# Altium PCB master.PcbDoc (part 2 of 5) (continued)
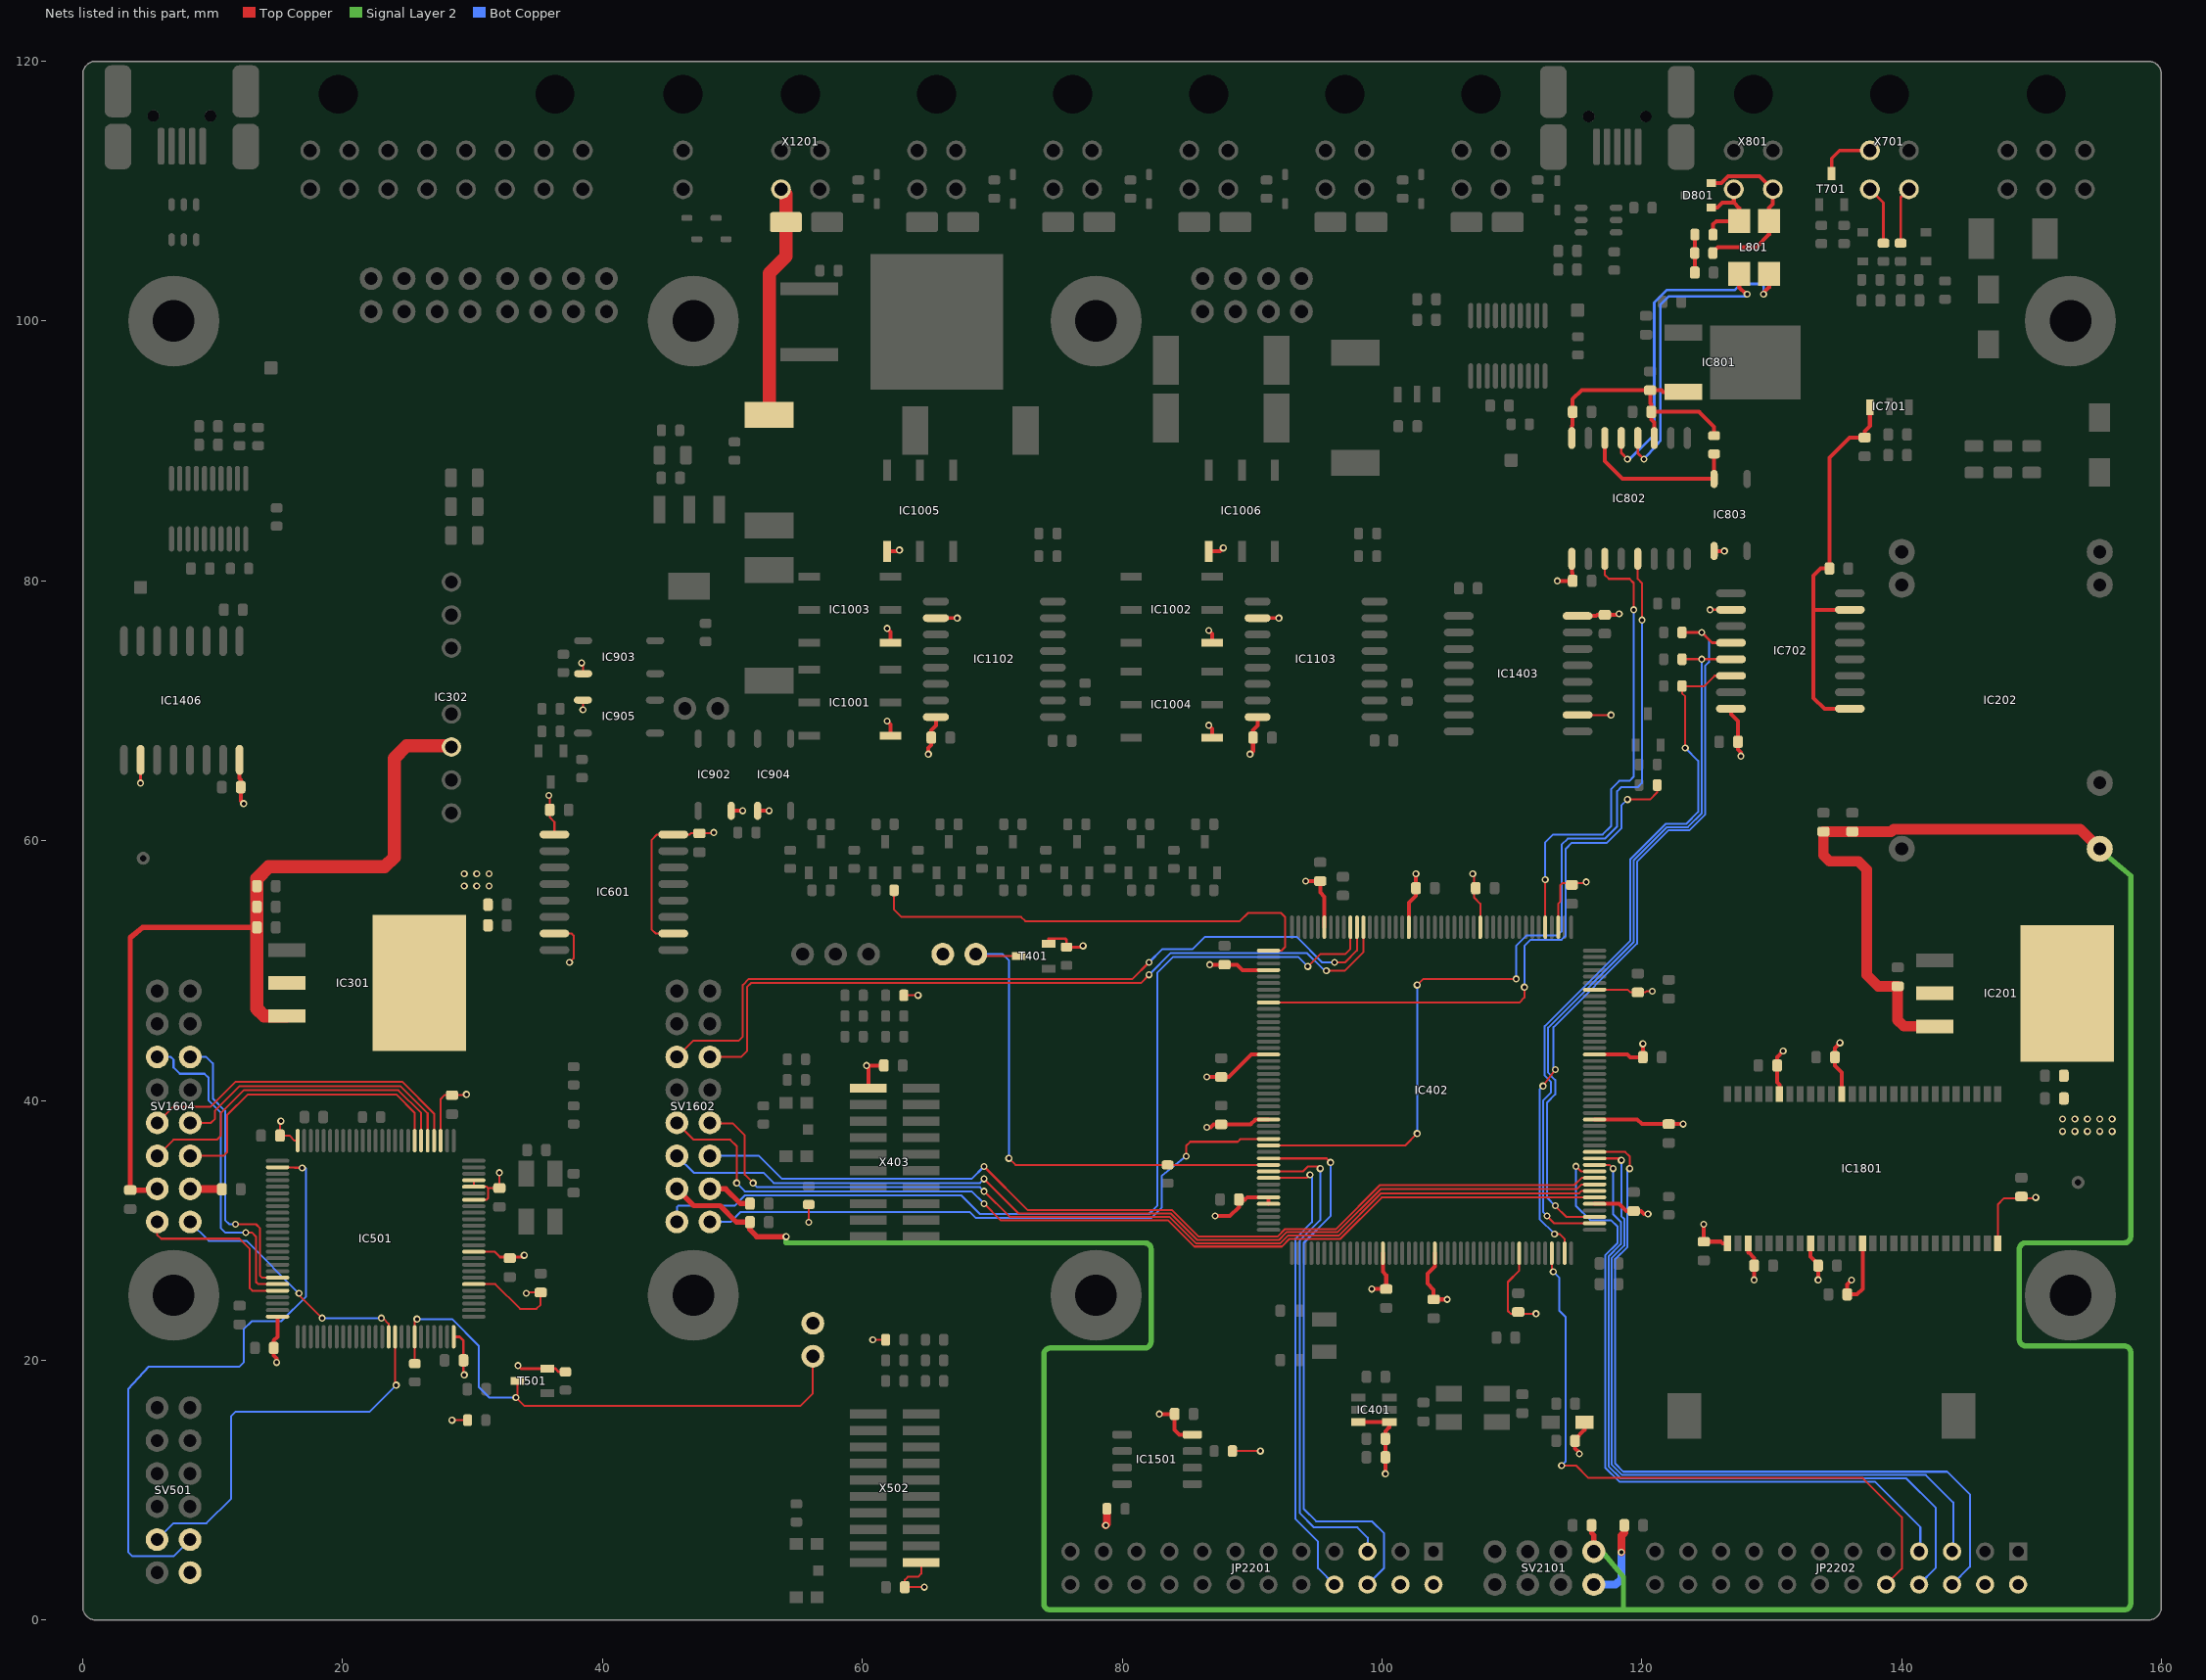
[diagram p4: the nets of this part, all layers, seen from the top]
## Part data (continued)
R804 R907 R910 R1005 R1006 R1011 R1012 R1017 R1018: library part gen_R_430R_0603, "SMD Resistor 430R 0603", Case EIA=0603, Case Metric=1608, Maximum Working Voltage=75V, Operating Temperature="-55°C - +155°C", PnP Package=R_0603, Power=0.1W, Supplier Part Number 1=2074259, Tolerance=1%, Automotive Qualified=False, Part Number=gen_R_430R_0603, PnP Value=430R, Resistance=430R, Series=E24, Supplier 1=Farnell
R902: library part gen_R_120R_0603, "SMD Resistor 120R 0603", Case EIA=0603, Case Metric=1608, Maximum Working Voltage=75V, Operating Temperature="-55°C - +155°C", PnP Package=R_0603, Power=0.1W, Supplier Part Number 1=2073369, Tolerance=1%, Automotive Qualified=False, Part Number=gen_R_120R_0603, PnP Value=120R, Resistance=120R, Series=E24, Supplier 1=Farnell
R906: library part gen_R_330R_0603, "SMD Resistor 330R 0603", Case EIA=0603, Case Metric=1608, Maximum Working Voltage=75V, Operating Temperature="-55°C - +155°C", PnP Package=R_0603, Power=0.1W, Supplier Part Number 1=2692155, Tolerance=1%, Automotive Qualified=False, Part Number=gen_R_330R_0603, PnP Value=330R, Resistance=330R, Series=E24, Supplier 1=Farnell
R1101 R1102 R1103 R1104 R1105 R1106: library part gen_R_47R_0603, "SMD Resistor 47R 0603", Case EIA=0603, Case Metric=1608, Maximum Working Voltage=75V, Operating Temperature="-55°C - +155°C", PnP Package=R_0603, Power=0.1W, Supplier Part Number 1=2303030, Tolerance=1%, Automotive Qualified=False, Part Number=gen_R_47R_0603, PnP Value=47R, Resistance=47R, Series=E24, Supplier 1=Farnell
R1401 R1402 R1405 R1406: library part gen_R_27R_0603, "SMD Resistor 27R 0603", Case EIA=0603, Case Metric=1608, Maximum Working Voltage=75V, Operating Temperature="-55°C - +155°C", PnP Package=R_0603, Power=0.1W, Supplier Part Number 1=2059559, Tolerance=1%, Automotive Qualified=False, Part Number=gen_R_27R_0603, PnP Value=27R, Resistance=27R, Series=E24, Supplier 1=Farnell
S401 S501: "Microminiature Tactile Switch", Manufacturer="CK Components", Operating Temperature="-40°C - +85°C", Supplier Part Number 1=1201424, Automotive Qualified=False, ComponentLink1Description=Datasheet, ComponentLink1URL=http://www.farnell.com/datasheets/1685525.pdf, Part Number=KMR221GLFS, Supplier 1=Farnell, Supplier 2=Digikey, Supplier 3=Mouser, Supplier Part Number 2=401-1426-1-ND, Supplier Part Number 3=611-KMR211G-LFS
SV501: "Board-To-Board Connector, Vertical, 2.54 mm, 12 Contacts, Header, TSW Series, Through Hole, 2 Rows", Manufacturer=Samtec, Operating Temperature="-55°C - +125°C", Part Name=TSW-106-07-G-D, Rated Voltage="500V AC mated with SSW", Supplier Part Number 1=2025252, Automotive Qualified=False, Circuits=12, ComponentLink1Description=Datasheet, ComponentLink1URL=http://www.farnell.com/datasheets/1992055.pdf?_ga=2.196729640.569325269.1503285096-1413671594.1503025027, Part Number=samtec_TSW-106-07-G-D, Supplier 1=Farnell
SV901: "Board-To-Board Connector, Dual, 2.54 mm, 8 Contacts, Receptacle, SLW Series, Through Hole, 2 Rows", Manufacturer=Samtec, Operating Temperature="-55°C - +125°C", Part Name=SLW-104-01-G-D, Rated Current=5.2A, Rated Voltage="406VAC Voltage rating", Supplier Part Number 1=1668094, Automotive Qualified=False, Circuits=8, ComponentLink1Description=Datasheet, ComponentLink1URL=http://www.farnell.com/datasheets/1927699.pdf, Part Number=samtec_SLW-104-01-G-D, Supplier 1=Farnell
SV1601 SV1603 SV2101: "Board-To-Board Connector, Vertical, 2.54 mm, 8 Contacts, Header, TSW Series, Through Hole, 2 Rows", Manufacturer=Samtec, Operating Temperature="-55°C - +125°C", Part Name=TSW-104-07-G-D, Rated Voltage="500V AC mated with SSW", Supplier Part Number 1=2025250, Automotive Qualified=False, Circuits=8, ComponentLink1Description=Datasheet, ComponentLink1URL=http://www.farnell.com/datasheets/1992055.pdf, Part Number=samtec_TSW-104-07-G-D, Supplier 1=Farnell
SV1602 SV1604: "Board-To-Board Connector, Vertical, 2.54 mm, 16 Contacts, Header, TSW Series, Through Hole, 2 Rows", Manufacturer=Samtec, Operating Temperature="-55°C - +125°C", Part Name=TSW-108-07-G-D, Rated Voltage="500V AC mated with SSW", Supplier Part Number 1=2578721, Automotive Qualified=False, Circuits=16, ComponentLink1Description=Datasheet, ComponentLink1URL=http://www.farnell.com/datasheets/2061825.pdf, Part Number=samtec_TSW-108-07-G-D, Supplier 1=Farnell
T201: "BIDIRECTIONAL THYRISTOR OVERVOLTAGE PROTECTOR", Manufacturer=Bourns, Operating Temperature="-40°C - +150°C", Supplier Part Number 1=TISP4040H1BJR-SCT-ND, Automotive Qualified=False, ComponentLink1Description=Datasheet, ComponentLink1URL=http://www.bourns.com/data/global/pdfs/TISP40xxH1BJ.pdf, Part Number=TISP4040H1BJR-S, Supplier 1=Digikey
T401 T501: library part CMP-1099-00028-1, "P-Channel SIPMOS Small-Signal-Transistor, -60 V VDS, -0.17 A ID, -55 to 150 degC, PG-SOT23, Reel, Green", Manufacturer=Infineon, ComponentLink1Description="Manufacturer URL", ComponentLink1URL=http://www.infineon.com/, ComponentLink2Description=Datasheet, ComponentLink2URL=http://www.infineon.com/dgdl/BSS84P_Rev2.7%5B1%5D.pdf?folderId=db3a304314dca38901154a72e3951a65&fileId=db3a304330f68606013118ac7a9b4549, ComponentLink3Description="Package Specification", ComponentLink3URL=http://www.infineon.com/dgdl/SOT23-Package_Overview.pdf?folderId=db3a30431936bc4b0119532290053c66&fileId=db3a30431936bc4b0119533468123c85, DatasheetVersion="Rev. 2.7", Green=TRUE, Halogen-free=TRUE, ID (max)="-0.17Â A", IDpuls (max)="-0.68Â A", Mounting Technology="Surface Mount", PackageDescription="3-Pin Small Outline Transistor Package, 2.9 x 1.3 mm Body, 0.95 mm Pitch", PackageReference=PG-SOT23, PackageVersion=Apr-08, Packing=Reel, PartNumber=BSS84P, Pto t (max)="0.36Â W", QG="1Â nC", RDS (on) (max)="8,000Â mOhm", RDS (on) (max) (@4.5V)="12,000Â mOhm", Rth="350Â K/W", VDS (max)="-60Â V", VGS(th) (max)="-2Â V", VGS(th) (min)="-1Â V"
T701 T801 T902 T903 T1001 T1002 T1003 T1004 T1005 T1006: "MOSFET-Transistor, n-Kanal, 1.6 A, 100 V, 0.178 ohm, 10 V, 2.5 V", Manufacturer=Infineon, Maximum Continous Drain Current (25°C)=1.6A, Maximum Drain-Source Voltage=100V, Operating Temperature="-55°C - +150°C", Part Name=NMOS, Supplier Part Number 1=1783928, Automotive Qualified=False, ComponentLink1Description="Datasheet URL", ComponentLink1URL=http://www.farnell.com/datasheets/491501.pdf, Part Number=IRLML0100TRPBF, R_DS(on)=190m, Supplier 1=Farnell, Total Gate Charge=2.5nC
T901: library part CMP-1259-00124-1, "N-Channel TrenchMOS Logic Level FET, 60 V, 100 A, 3-Pin SOT404, Tape and Reel", Manufacturer="NXP Semiconductors", Automotive Qualified=Y, Channel Type=N, ComponentLink1Description="Manufacturer URL", ComponentLink1URL=http://www.nxp.com/, ComponentLink2Description=Datasheet, ComponentLink2URL=http://www.nxp.com/documents/data_sheet/BUK964R8-60E.pdf, ComponentLink3Description="Package Specification", ComponentLink3URL=http://www.nxp.com/documents/outline_drawing/sot404_po.pdf, ID [max] (A)=100, IDM [max] (A)=596, Mounting Technology="Surface Mount", PackageDescription="3-Pin Plastic Single-ended Surface Mounted Package, Body 10 x 9.6 mm, Pitch 2.54 mm", PackageReference=SOT404, PackageVersion="13-02-25, 02/2013", Packing="Tape & Reel", PartNumber=BUK964R8-60E,118, Qr [typ] (nC)=56, VDS [max] (V)=60, VGSth [typ] (V)=1.7
TP1 TP2 TP3 TP4: "Testpoint, square", Part Number=Testpoint_Square
TP_GND_201 TP_GND_301: library part Testpoint_Round_Via, "Testpoint, Via, round", Part Number=Testpoint_Round_Via
U$1 U$3 U$4: library part FIDUCIAL_1MM, PackageName=FIDUCIAL_1MM
X201: "Micro-Fit 3.0 Right Angle Header, 3.00mm Pitch, Dual Row, 6 Circuits, with Snap-in Plastic Peg PCB Lock, Tin, Glow Wire Capable, Black, 43045-0600", Manufacturer=Molex, Operating Temperature="-40°C - +105°C", Part Name=MicroFit, Rated Current=8.5A, Rated Voltage=600V, Supplier Part Number 1=1012252, Automotive Qualified=False, Circuits=6, Part Number=molex_microfit_3_03x2_THT, Supplier 1=Farnell
X401: "Board-To-Board Connector, Vertical, 2.54 mm, 3 Contacts, Header, TSW Series, Through Hole, 1 Row", Manufacturer=Samtec, Operating Temperature="-55°C - +125°C", Part Name=TSW-103-07-G-S, Supplier Part Number 1=2505045, Automotive Qualified=False, Circuits=3, ComponentLink1Description=Datasheet, ComponentLink1URL=http://www.farnell.com/datasheets/1796313.pdf, Part Number=samtec_TSW-103-07-G-S, Supplier 1=Farnell
X402 X501 X902: "Board-To-Board Connector, Vertical, 2.54 mm, 2 Contacts, Header, TSW Series, Through Hole, 1 Row", Manufacturer=Samtec, Operating Temperature="-55°C - +125°C", Part Name=TSW-102-07-G-S, Supplier Part Number 1=2505044, Automotive Qualified=False, Circuits=2, ComponentLink1Description=Datasheet, ComponentLink1URL=http://www.farnell.com/datasheets/1796313.pdf, Part Number=samtec_TSW-102-07-G-S, Supplier 1=Farnell
X403 X502: library part samtec_FTSH-110-01-L-DV-007-K-P, "Board-To-Board Connector, ARM Cortex Debug Header 20 Pin", Manufacturer=Samtec, Operating Temperature="-55°C - +125°C", Supplier Part Number 1=SAM11268-ND, Automotive Qualified=False, Circuits=20, Part Name=FTSH-110-01-L-DV-007-K-P, Part Number=samtec_FTSH-110-01-L-DV-007-K-P, Supplier 1=Digikey, Supplier 2=Avnet, Supplier Part Number 2=FTSH-110-01-L-DV-007-K-P
X701 X801 X1201 X1202 X1203 X1204 X1205 X1206: "Micro-Fit 3.0 Right Angle Header, 3.00mm Pitch, Dual Row, 4 Circuits, with Snap-in Plastic Peg PCB Lock, Tin, Glow Wire Capable, Black, 43045-0400", Manufacturer=Molex, Operating Temperature="-40°C - +105°C", Part Name=MicroFit, Rated Current=8.5A, Rated Voltage=600V, Supplier Part Number 1=9733019, Automotive Qualified=False, Circuits=4, Part Number=molex_microfit_3_02x2_THT, Supplier 1=Farnell
X901: "Micro-Fit 3.0 Right Angle Header, 3.00mm Pitch, Dual Row, 2 Circuits, with Snap-in Plastic Peg PCB Lock, Tin, Glow Wire Capable, Black, 43045-0200", Manufacturer=Molex, Operating Temperature="-40°C - +105°C", Part Name=MicroFit, Rated Current=8.5A, Rated Voltage=600V, Supplier Part Number 1=1012251, Automotive Qualified=False, Circuits=2, Part Number=molex_microfit_3_01x2_THT, Supplier 1=Farnell
X1401 X1402: library part CMP-0411-00002-1, "USB, MINI, SMD, RA KME04-USBMU03A01", Manufacturer=Molex, ComponentLink1Description="Manufacturer URL", ComponentLink1URL=http://www.molex.com/, ComponentLink2Description=Datasheet, ComponentLink2URL=http://www.molex.com/pdm_docs/sd/675031020_sd.pdf, DatasheetVersion="Rev F, 06/2009", Mounting Technology="Surface Mount", PackageDescription="Mini USB Connector, SMT, Righer Angle", PackageReference=67503-1020, PartNumber=67503-1020, Terminal Pitch="0.8 mm"
X1601: "Micro-Fit 3.0 Right Angle Header, 3.00mm Pitch, Dual Row, 16 Circuits, with Snap-in Plastic Peg PCB Lock, Tin, Glow Wire Capable, Black, 43045-1600", Manufacturer=Molex, Operating Temperature="-40°C - +105°C", Part Name=MicroFit, Rated Current=8.5A, Rated Voltage=600V, Supplier Part Number 1=9961380, Automotive Qualified=False, Circuits=16, Part Number=molex_microfit_3_08x2_THT, Supplier 1=Farnell

## Via types
v1: diameter 0.55, hole 0.3, Top Copper to Bot Copper, tented both sides, 708 vias
v2: diameter 0.65, hole 0.4, Top Copper to Bot Copper, tented both sides, 3 vias

## Nets (pads, with @x,y where several pads share a name; then routed paths per layer and width w, separated by ;. In a path a pad name is that pad's centre, name@x,y a point inside that pad or via, vN(x,y) a via of type N, cw(c..) or ccw(c..) an arc to the next point about the centre after c; other vN are vias at no path point)
+3.3V_0: C205.1 C206.1 C401.1 C403.1 C404.1 C405.1 C406.1 C407.1 C408.1 C409.1 C410.1 C412.1 C413.1 C415.1 C416.1 C417.1 C418.1 C419.1 C420.1 C421.1 C430.1 C601.2 C707.1 C807.2 C1106.1 C1107.1 C1405.1 C1501.2 C1601.1 C1801.1 C1802.1 C1803.1 C1804.1 C1805.1 C1806.1 C1807.1 C2101.2 IC201.2 IC201.4 IC401.3 IC401.4 IC402.15 IC402.23 IC402.36 IC402.49 IC402.62 IC402.72 IC402.82 IC402.91 IC402.103 IC402.114 IC402.127 IC402.136 IC402.149 IC402.159 IC402.171 IC402.172 IC601.10 IC601.16 IC702.10 IC702.16 IC802.1 IC803.1 IC902.4 IC904.1 IC1001.1 IC1002.1 IC1003.1 IC1004.1 IC1005.1 IC1006.1 IC1102.10 IC1102.16 IC1103.10 IC1103.16 IC1403.10 IC1403.16 IC1501.8 IC1801.1 IC1801.3 IC1801.9 IC1801.14 IC1801.27 IC1801.43 IC1801.49 JP2201.2 JP2201.4 JP2202.2 JP2202.4 L401.1 LED201.2 R402.2 R405.2 R1501.2 R1502.2 SV1602.3 SV2101.2 T401.2 X402.1 X403.1 | length 188
  Top Copper w0.152: IC601.10@45.453,52.849 44.111,52.849 43.773,53.186 43.773,60.041 44.202,60.469 IC601.16@45.453,60.469 46.705,60.469 46.795,60.559 C601.2@47.466,60.559 48.509,60.559 v1(48.578,60.628) ; v1(55.88,30.624) R405.2@55.88,31.838 ; LED201.2@63.25,48.086 v1(64.294,48.086) ; R1501.2@88.489,13.003 v1(90.646,13.003) ; v1(106.998,57.453) 107.1,57.191 107.1,55.604 107.573,55.131 IC402.103@107.573,53.534 ; IC402.36@110.573,28.034 110.573,26.896 109.696,26.02 109.696,23.798 109.911,23.583 v1(111.863,23.583) ; IC402.91@113.573,53.534 113.573,55.138 113.745,55.309 113.745,56.579 113.88,56.715 115.626,56.715 v1(115.729,56.818) ; IC1403.10@115.018,69.676 IC1403.10@115.065,69.676 v1(117.634,69.676) ; IC402.82@116.373,48.534 118.901,48.534 119.121,48.314 C406.1@119.697,48.314 120.274,48.314 120.364,48.404 v1(120.809,48.404) ; IC1801.27@147.401,29.189 147.401,31.975 147.899,32.473 150.28,32.473 v1(150.336,32.529)
  Top Copper w0.203: T401.2@74.334,52.053 74.334,52.454 75.613,52.454 75.724,52.343 R402.2@75.724,51.803 76.9,51.803 v1(76.994,51.896) ; v1(125.254,77.773) IC702.10@126.87,77.773 IC702.10@126.917,77.773
  Top Copper w0.254: IC1102.10@65.64,77.138 IC1102.10@65.668,77.138 v1(67.31,77.138) ; IC1103.10@90.405,77.138 IC1103.10@90.433,77.138 v1(92.075,77.138)
  Top Copper w0.305: IC902.4@49.911,62.298 50.732,62.298 v1@50.8,62.23 ; IC904.1@51.943,62.298 v1(52.832,62.298) ; X403.1@60.465,40.943 60.465,42.549 v1(60.325,42.689) C430.1@61.664,42.689 ; v1(61.912,69.2) 62.18,68.933 IC1001.1@62.18,68.089 ; v1(61.912,76.344) 62.18,76.076 IC1003.1@62.18,75.233 ; IC1005.1@61.912,82.268 62.756,82.268 v1(62.865,82.376) ; v1(65.087,66.66) 65.087,67.126 65.315,67.353 C1106.1@65.315,67.93 65.315,68.507 65.668,68.859 IC1102.16@65.668,69.518 ; v1(82.867,15.86) C1501.2@84.048,15.86 84.048,14.631 84.406,14.273 IC1501.8@85.409,14.273 ; v1(86.519,37.926) 86.826,37.926 87.053,38.154 C421.1@87.63,38.154 89.891,38.154 90.271,38.534 IC402.159@91.272,38.534 ; v1(86.519,41.805) C420.1@87.63,41.805 88.213,41.805 89.942,43.534 IC402.149@91.272,43.534 ; v1(86.677,68.883) 86.945,68.615 IC1004.1@86.945,67.93 ; v1(86.677,76.185) 86.945,75.918 IC1002.1@86.945,75.233 ; IC1006.1@86.677,82.268 87.521,82.268 v1(87.789,82.535) ; v1(86.741,50.456) C419.1@87.884,50.456 88.863,50.456 89.285,50.034 IC402.136@91.272,50.034 ; v1(87.154,31.1) 88.297,31.1 88.99,31.793 C407.1@88.99,32.37 89.467,32.37 89.63,32.534 IC402.171@91.272,32.534 IC402.172@91.272,32.034 ; v1(89.852,66.66) 90.08,66.888 C1107.1@90.08,67.93 90.08,68.507 90.433,68.859 IC1103.16@90.433,69.518 ; v1(94.139,56.886) C418.1@95.25,56.886 95.25,56.007 95.572,55.685 IC402.127@95.572,53.334 ; IC401.3@98.177,15.228 IC401.4@100.578,15.228 100.578,14.826 100.556,14.826 100.261,14.532 C408.1@100.261,13.955 C403.1@100.261,12.526 v1(100.261,11.256) ; v1(99.219,25.475) C409.1@100.33,25.475 100.33,26.543 100.072,26.801 IC402.15@100.072,28.234 ; IC402.114@102.073,53.334 102.073,55.21 102.621,55.758 C417.1@102.621,56.341 v1(102.621,57.453) ; IC402.23@104.072,28.234 104.072,27.232 103.505,26.665 103.505,25.908 103.981,25.432 C410.1@103.981,24.681 v1(105.029,24.681) ; v1(113.506,79.995) C807.2@114.686,79.995 114.686,80.572 114.617,80.64 IC802.1@114.617,81.695 ; IC1403.16@115.065,77.296 116.491,77.296 116.581,77.386 C1405.1@117.157,77.386 118.2,77.386 v1(118.269,77.455) ; v1(115.196,12.788) 115.196,12.89 114.866,13.22 C404.1@114.866,13.796 114.866,13.896 115.593,14.623 115.6,14.623 L401.1@115.6,15.225 ; IC402.49@116.373,32.034 118.256,32.034 118.803,31.486 C405.1@119.38,31.486 119.957,31.486 120.184,31.259 v1(120.491,31.259) ; IC402.62@116.373,38.534 119.655,38.534 120.014,38.175 C412.1@122.079,38.175 v1(123.19,38.175) ; IC402.72@116.373,43.534 118.899,43.534 119.109,43.324 C413.1@120.084,43.324 v1(120.084,44.356) ; v1(124.777,30.465) C1805.1@124.777,29.126 126.1,29.126 126.225,29.001 IC1801.1@126.601,29.001 ; IC803.1@125.571,82.3 v1(126.365,82.3) ; IC702.16@126.87,70.153 126.87,69.751 127.407,69.213 C707.1@127.407,67.613 127.407,67.036 127.635,66.808 v1(127.635,66.501) ; IC1801.3@128.201,29.001 128.201,28.3 128.223,28.3 128.656,27.867 C1801.1@128.656,27.29 v1(128.656,26.179) ; IC1801.49@130.601,40.501 130.601,41.203 130.424,41.38 C1807.1@130.424,42.689 130.424,43.334 v1(130.89,43.8) ; IC1801.9@133.001,29.001 133.001,27.966 133.578,27.39 C1802.1@133.578,27.29 v1(133.578,26.179) ; v1(135.255,44.435) 134.869,44.049 C1806.1@134.869,43.324 134.869,42.677 135.401,42.145 IC1801.43@135.401,40.501 ; v1(136.144,26.162) 135.821,25.839 C1803.1@135.821,25.068 136.574,25.068 137.001,25.495 IC1801.14@137.001,29.001
  Top Copper w0.406: SV1602.3@48.27,33.19 49.487,33.19 50.624,32.053 C1601.1@51.22,32.053
  Top Copper w0.61: v1(78.74,7.288) 78.834,7.381 R1502.2@78.834,8.558 ; v1(118.427,5.224) 118.427,6.483 118.655,6.711 C2101.2@118.655,7.288
  Bot Copper w0.61: SV2101.2@116.31,2.73 117.997,2.73 118.427,3.16 v1(118.427,5.224)
  other v1: 152.4,37.609 153.352,37.609 154.305,37.609 155.257,37.609 156.21,37.609 152.4,38.561 153.352,38.561 154.305,38.561 155.257,38.561 156.21,38.561 50.8,62.298
+3.3V_1: C305.1 C306.1 C502.1 C503.1 C504.1 C506.1 C507.1 C508.1 C510.1 C513.1 C602.1 C1410.1 C1603.1 IC301.2 IC301.4 IC501.6 IC501.11 IC501.19 IC501.21 IC501.22 IC501.28 IC501.50 IC501.75 IC501.100 IC601.1 IC601.7 IC903.4 IC905.1 IC1406.10 IC1406.16 LED301.2 R504.2 R505.2 SV501.1 SV1604.3 T501.2 X501.1 X502.1 | length 59.3
  Top Copper w0.152: v1(15.24,38.403) 15.171,38.334 C503.1@15.171,37.291 15.903,37.291 16.291,36.904 IC501.50@16.542,36.904 ; IC501.28@27.543,36.904 27.543,40.1 27.84,40.398 C506.1@28.416,40.398 29.459,40.398 v1(29.527,40.466) ; v1(28.416,15.384) R505.2@29.471,15.384 ; IC501.19@30.093,32.354 31.084,32.354 31.194,32.464 31.194,33.254 ; IC501.22@30.093,33.854 IC501.21@30.093,33.354 31.094,33.354 31.194,33.254 ; IC501.6@30.293,25.854 31.758,25.854 33.655,23.956 34.925,23.956 35.242,24.274 35.242,25.091 C510.1@35.186,25.147 ; IC501.11@30.293,28.354 31.717,28.354 32.131,27.94 ; v1(32.067,34.434) C502.1@32.067,33.254 31.194,33.254 ; v1(34.131,25.147) 34.2,25.216 C510.1@35.242,25.216 ; v1(35.877,63.485) 35.946,63.416 C602.1@35.946,62.374 35.946,61.797 36.303,61.44 IC601.1@36.303,60.469 ; IC601.7@36.351,52.849 37.624,52.849 37.782,52.69 37.782,50.944 v1(37.465,50.626) ; v1(38.397,73.68) 38.511,73.566 IC903.4@38.511,72.853 ; v1(38.494,70.069) 38.497,70.073 IC905.1@38.497,70.817 ; v1(60.801,21.575) LED301.2@61.75,21.575 ; X502.1@64.535,4.43 64.535,3.575 64.289,3.329 63.5,3.329 63.272,3.102 C513.1@63.272,2.525 v1(64.77,2.525)
  Top Copper w0.203: v1(4.445,64.438) IC1406.10@4.445,66.213 IC1406.10@4.445,66.26 ; IC501.100@28.543,21.804 28.996,21.804 29.3,21.5 C508.1@29.3,19.988 29.3,18.945 v1(29.369,18.876) ; 32.131,27.94 33.829,27.94 v1(33.972,28.084) ; v1(33.496,19.591) 33.737,19.35 T501.2@35.758,19.35 36.384,19.35 36.596,19.138 36.596,19.1 R504.2@37.148,19.1
  Top Copper w0.305: IC1406.16@12.065,66.213 12.065,64.787 12.155,64.697 C1410.1@12.155,64.12 12.155,63.078 v1(12.383,62.85) ; v1(14.922,19.829) 14.922,20.136 14.695,20.363 C507.1@14.695,20.94 14.695,21.517 14.992,21.814 IC501.75@14.992,23.354
  Top Copper w0.61: SV1604.3@8.27,33.19 8.296,33.164 C1603.1@10.705,33.164
  other v1: 29.369,56.5 30.321,56.5 31.274,56.5 29.369,57.453 30.321,57.453 31.274,57.453
+5.0V_0: C202.1 C207.1 C208.1 C1602.1 C2102.1 IC201.3 IC202.14 SV1602.4 SV2101.1 | length 285.2
  Top Copper w0.406: SV1602.4@45.73,33.19 47.026,31.894 49.054,31.894 50.324,30.624 C1602.1@51.345,30.624 51.345,30.047 51.88,29.513 v1(54.134,29.513) ; C2102.1@116.136,7.288 116.136,6.711 116.31,6.537 SV2101.1@116.31,5.27
  Top Copper w0.813: C208.1@133.985,60.571 133.985,58.881 134.461,58.405 136.684,58.405 137.319,57.77 137.319,49.674 138.202,48.79 C202.1@139.7,48.79 ; C208.1@133.985,60.696 C207.1@136.207,60.696 139.211,60.696 139.393,60.878 153.749,60.878 IC202.14@155.257,59.37 ; C202.1@139.7,48.665 139.7,46.181 140.176,45.705 IC201.3@142.202,45.705
  Signal Layer 2 w0.406: v1(54.134,29.513) 54.134,29.036 81.733,29.036 cw(c81.733,28.536) 82.233,28.536 ; 82.233,28.536 82.233,21.44 cw(c81.733,21.44) 81.733,20.94 74.478,20.94 ccw(c74.478,20.44) 73.977,20.44 73.977,1.279 ccw(c74.478,1.279) 74.478,0.779 118.586,0.779 ; SV2101.1@116.31,5.27 116.953,5.27 118.586,3.319 118.586,0.779 ; IC202.14@155.257,59.3 157.639,57.294 157.639,29.536 cw(c157.139,29.536) 157.139,29.036 149.566,29.036 ccw(c149.566,28.536) 149.066,28.536 149.066,21.599 ccw(c149.566,21.599) 149.566,21.099 157.139,21.099 cw(c157.139,20.599) 157.639,20.599 157.639,1.279 cw(c157.139,1.279) 157.139,0.779 118.586,0.779
+5.0V_1: C301.1 C307.1 C308.1 C1604.1 IC301.3 IC302.6 SV1604.4 | length 67.6
  Top Copper w0.406: C1604.1@3.651,33.095 5.575,33.095 5.7,33.22 SV1604.4@5.73,33.19 ; C1604.1@3.651,33.22 3.651,52.531 4.604,53.325 C301.1@13.279,53.325
  Top Copper w1.016: IC301.3@15.707,46.499 13.953,46.499 13.404,47.048 C301.1@13.404,53.325 C308.1@13.404,54.913 C307.1@13.404,56.5 13.404,57.077 14.312,57.985 23.234,57.985 23.971,58.723 23.971,66.343 24.924,67.295 28.4,67.295 IC302.6@28.4,67.3
ADC_MCU_0_CH_0: IC402.54 JP2202.7 | length 55.7
  Top Copper w0.152: v1(114.935,34.925) 115.326,34.534 IC402.54@116.573,34.534
  Bot Copper w0.152: v1(114.935,34.925) 114.935,31.894 116.046,30.783 117.634,30.783 118.142,30.275 118.142,29.034 117.189,28.082 117.189,11.734 118.271,10.653 137.937,10.653 141.446,7.144 141.446,5.366 JP2202.7@141.352,5.272 JP2202.7@141.35,5.27
ADC_MCU_0_CH_1: IC402.55 JP2202.8 | length 57.8
  Top Copper w0.152: IC402.55@116.573,35.034 117.51,35.034 v1(117.792,34.751)
  Bot Copper w0.152: v1(117.792,34.751) 117.792,31.259 118.396,30.656 118.396,28.929 117.443,27.977 117.443,11.84 118.376,10.907 140.367,10.907 142.621,8.653 142.621,4.001 JP2202.8@141.352,2.732 JP2202.8@141.35,2.73
ADC_MCU_0_CH_2: IC402.56 JP2202.5 | length 57.2
  Top Copper w0.152: IC402.56@116.573,35.534 118.28,35.534 v1(118.427,35.386)
  Bot Copper w0.152: v1(118.427,35.386) 118.427,31.1 118.65,30.878 118.65,28.824 117.697,27.871 117.697,11.945 118.481,11.161 141.874,11.161 143.986,9.049 143.986,5.366 JP2202.5@143.892,5.272 JP2202.5@143.89,5.27
ADC_MCU_0_CH_3: IC402.57 JP2202.6 | length 62.5
  Top Copper w0.152: IC402.57@116.573,36.034 118.733,36.034 119.062,35.704 v1(119.062,34.751)
  Bot Copper w0.152: v1(119.062,34.751) 118.904,34.593 118.904,28.719 117.951,27.766 117.951,12.05 118.586,11.415 143.51,11.415 145.256,9.669 145.256,4.096 JP2202.6@143.892,2.732 JP2202.6@143.89,2.73
ADC_MCU_0_CH_4: IC402.41 JP2202.10 | length 50.2
  Top Copper w0.152: IC402.41@113.072,28.034 113.072,26.93 v1(113.189,26.814) ; v1(113.824,11.891) 114.935,11.891 115.887,10.939 137.001,10.939 140.017,7.923 140.017,3.954 138.81,2.746 JP2202.10@138.81,2.73
  Bot Copper w0.152: v1(113.189,26.814) 113.665,26.338 113.665,23.798 114.141,23.321 114.141,12.209 v1(113.824,11.891)
BENDER_ADUM_SUPPLY: C703.1 C706.1 IC701.1 IC702.1 IC702.7 | length 31.2
  Top Copper w0.305: IC702.1@136.02,70.153 134.063,70.153 133.223,70.993 133.223,77.773 ; IC702.7@136.02,77.773 133.223,77.773 ; IC701.1@137.565,93.376 137.565,91.92 137.16,91.515 C703.1@137.16,91.039 135.997,91.039 134.451,89.493 C706.1@134.451,80.948 133.78,80.948 133.223,80.391 133.223,77.773
BENDER_NEGATIVE_SUPPLY: T701.D X701.1 | length 4.9
  Top Copper w0.152: X701.1@137.565,113.06 X701.1@137.565,113.14
  Top Copper w0.254: T701.D@134.62,111.042 T701.D@134.62,111.358 134.62,112.539 135.221,113.14 X701.1@137.565,113.14
  Top Copper w0.406: T701.D@134.62,111.042 T701.D@134.666,111.156
BENDER_OK: IC402.46 IC702.14 R708.2 | length 55.9
  Top Copper w0.152: v1(112.712,31.1) 113.279,30.534 IC402.46@116.573,30.534 ; v1(123.349,67.136) 123.349,71.095 123.096,71.347 R708.2@123.096,71.899 124.825,71.899 125.618,72.693 IC702.14@126.87,72.693
  Bot Copper w0.152: v1(112.712,31.1) 112.395,31.418 112.395,39.99 113.03,40.625 113.03,41.419 112.539,41.91 112.539,45.715 119.126,52.302 119.126,58.582 121.839,61.294 123.426,61.294 124.347,62.216 124.347,66.138 v1(123.349,67.136)
BENDER_OK_EXT: R701.2 X701.3 | length 4.6
  Top Copper w0.203: X701.3@137.566,110.145 138.608,109.103 R701.2@138.608,105.998
BENDER_PWM: IC402.47 IC702.13 R709.2 | length 55.9
  Top Copper w0.152: v1(113.347,31.894) 114.208,31.034 IC402.47@116.573,31.034
  Top Copper w0.203: R709.2@123.246,73.963 v1(124.619,73.963) IC702.13@126.87,73.963 IC702.13@126.917,73.963
  Bot Copper w0.152: v1(113.347,31.894) 112.712,32.529 112.712,39.831 113.347,40.466 113.347,41.578 112.793,42.132 112.793,45.61 119.38,52.197 119.38,58.477 121.944,61.04 123.561,61.04 124.619,62.098 v1(124.619,73.963)
BENDER_PWM_EXT: R702.2 X701.4 | length 4.4
  Top Copper w0.203: R702.2@139.929,106 139.929,109.51 X701.4@140.564,110.145
BENDER_SUPPLY_ENABLE: IC402.43 IC702.12 R710.2 | length 59.6
  Top Copper w0.152: v1(112.395,41.101) v1(113.347,42.371) ; v1(113.284,29.718) 113.658,29.718 114.072,29.304 IC402.43@114.072,28.034
  Top Copper w0.203: R710.2@123.246,76.026 v1(124.619,76.026) 125.412,75.233 IC702.12@126.87,75.233 IC702.12@126.917,75.233
  Bot Copper w0.152: v1(112.395,41.101) 112.141,40.847 112.141,30.861 v1(113.284,29.718) ; v1(113.347,42.371) 113.212,42.507 113.212,45.648 119.634,52.07 119.634,58.371 122.049,60.786 123.666,60.786 124.873,61.993 124.873,73.432 125.173,73.733 125.173,75.472 v1(124.619,76.026)
BMS-INTERFACE_0_GPIO_0: IC402.121 SV1602.11 | length 59.8
  Top Copper w0.152: SV1602.11@48.27,43.35 50.667,43.35 51.117,43.8 51.117,48.721 51.435,49.039 81.439,49.039 v1(82.074,49.674) ; v1(95.726,49.991) 97.155,49.991 98.573,51.409 IC402.121@98.573,53.534
  Bot Copper w0.152: v1(82.074,49.674) 83.752,51.352 94.207,51.352 95.567,49.991 v1(95.726,49.991)
BMS-INTERFACE_0_GPIO_1: IC402.122 SV1602.12 | length 61.7
  Top Copper w0.152: SV1602.12@45.73,43.35 46.974,44.594 50.482,44.594 50.8,44.911 50.8,48.88 51.276,49.356 80.804,49.356 v1(82.074,50.626) ; v1(96.361,50.626) 97.155,50.626 98.072,51.544 IC402.122@98.072,53.534
  Bot Copper w0.152: v1(82.074,50.626) 83.107,51.659 85.441,51.659 86.36,52.578 93.457,52.578 95.409,50.626 v1(96.361,50.626)
BMS-INTERFACE_0_GPIO_2: IC402.123 SV1602.2 | length 75.4
  Top Copper w0.152: v1(94.297,50.309) 95.25,51.261 97.155,51.261 97.573,51.679 IC402.123@97.573,53.534
  Bot Copper w0.152: SV1602.2@45.73,30.65 45.73,31.794 45.83,31.894 50.165,31.894 50.959,32.688 67.627,32.688 69.056,31.259 82.074,31.259 82.709,31.894 82.709,49.833 83.93,51.054 93.552,51.054 v1(94.297,50.309)
BMS-INTERFACE_0_GPIO_3: IC402.162 SV1602.1 | length 47.6
  Top Copper w0.152: v1(84.931,35.704) 84.931,36.498 85.249,36.815 88.9,36.815 89.119,37.034 IC402.162@91.072,37.034
  Bot Copper w0.152: SV1602.1@48.27,30.65 49.874,30.65 50.641,31.418 68.263,31.418 68.739,30.941 82.249,30.941 83.058,31.75 83.058,34.205 v1(84.931,35.704)
BMS-INTERFACE_0_SPI_CS: IC402.50 SV1602.8 | length 78
  Top Copper w0.152: SV1602.8@45.73,38.27 47.026,36.974 49.847,36.974 50.324,36.498 v1(50.324,33.64) ; v1(69.374,32.053) 70.641,30.785 83.534,30.785 85.568,28.751 92.292,28.751 92.879,29.337 96.787,29.337 99.984,32.534 IC402.50@116.573,32.534
  Bot Copper w0.152: v1(50.324,33.64) 50.959,33.005 68.421,33.005 v1(69.374,32.053)
BMS-INTERFACE_0_SPI_MISO: IC402.52 SV1602.6 | length 75.4
  Top Copper w0.152: v1(69.374,33.958) 72.038,31.293 83.744,31.293 85.779,29.259 92.07,29.259 92.657,29.845 96.577,29.845 99.895,33.164 115.001,33.164 115.371,33.534 IC402.52@116.373,33.534
  Bot Copper w0.152: SV1602.6@45.73,35.73 47.026,34.434 52.387,34.434 53.181,33.64 69.056,33.64 v1(69.374,33.958)
BMS-INTERFACE_0_SPI_MOSI: IC402.53 SV1602.5 | length 73.3
  Top Copper w0.152: v1(69.374,34.91) 72.737,31.547 83.849,31.547 85.884,29.513 91.965,29.513 92.551,30.099 96.471,30.099 99.854,33.481 114.818,33.481 115.371,34.034 IC402.53@116.373,34.034
  Bot Copper w0.152: SV1602.5@48.27,35.73 52.044,35.73 53.816,33.958 68.421,33.958 v1(69.374,34.91)
BMS-INTERFACE_0_SPI_SCK: IC402.51 SV1602.7 | length 75.5
  Top Copper w0.152: SV1602.7@48.27,38.27 48.296,38.244 50.006,38.244 50.959,37.291 50.959,34.275 v1(51.594,33.64) v1@51.594,33.481 ; v1(69.374,33.005) 71.34,31.039 83.639,31.039 85.673,29.005 92.175,29.005 92.762,29.591 96.682,29.591 99.937,32.846 115.183,32.846 115.371,33.034 IC402.51@116.373,33.034
  Bot Copper w0.152: v1(51.594,33.64) 51.911,33.323 69.056,33.323 v1(69.374,33.005)
BMS-INTERFACE_1_GPIO_0: IC501.69 SV1604.11 | length 22.2
  Top Copper w0.152: v1(11.747,30.465) 13.335,30.465 13.652,30.148 13.652,26.496 13.795,26.354 IC501.69@14.792,26.354
  Bot Copper w0.152: SV1604.11@8.27,43.35 9.499,43.35 10.001,42.848 10.001,40.149 10.954,39.196 10.954,30.783 11.271,30.465 v1(11.747,30.465)
BMS-INTERFACE_1_GPIO_1: IC501.70 SV1604.12 | length 24.9
  Top Copper w0.152: v1(12.541,29.83) 13.018,29.83 13.335,29.513 13.335,26.02 13.501,25.854 IC501.70@14.792,25.854
  Bot Copper w0.152: SV1604.12@5.73,43.35 6.776,43.35 6.985,43.14 6.985,42.53 7.461,42.054 9.366,42.054 9.684,41.736 9.684,39.99 10.636,39.038 10.636,30.148 10.954,29.83 v1(12.541,29.83)
BMS-INTERFACE_1_GPIO_2: IC501.71 SV1604.2 | length 13.6
  Top Copper w0.152: SV1604.2@5.73,30.65 5.715,30.635 5.715,29.671 6.032,29.354 12.065,29.354 12.859,28.56 12.859,25.544 13.049,25.354 IC501.71@14.792,25.354
BMS-INTERFACE_1_GPIO_3: IC501.90 SV1604.1 | length 19.9
  Top Copper w0.152: v1(16.637,25.146) 16.637,25.019 v1(18.415,23.241) ; v1(22.987,23.241) 23.099,23.241 23.542,22.798 IC501.90@23.542,21.604
  Bot Copper w0.152: SV1604.1@8.27,30.65 8.229,30.65 9.684,29.195 12.588,29.195 v1(16.637,25.146) ; v1(18.415,23.241) v1(22.987,23.241)
BMS-INTERFACE_1_SPI_CS: IC501.29 SV1604.8 | length 25.5
  Top Copper w0.152: SV1604.8@5.73,38.27 6.974,39.514 9.842,39.514 11.747,41.419 24.606,41.419 27.043,38.982 IC501.29@27.043,37.104
BMS-INTERFACE_1_SPI_MISO: IC501.31 SV1604.6 | length 26.1
  Top Copper w0.152: SV1604.6@5.73,35.73 6.974,36.974 10.319,36.974 10.636,37.291 10.636,39.038 12.383,40.784 24.289,40.784 26.043,39.03 IC501.31@26.043,37.104
BMS-INTERFACE_1_SPI_MOSI: IC501.32 SV1604.5 | length 23.4
  Top Copper w0.152: SV1604.5@8.27,35.73 10.821,35.73 11.112,36.021 11.112,38.879 12.7,40.466 24.13,40.466 25.542,39.054 IC501.32@25.542,37.104
BMS-INTERFACE_1_SPI_SCK: IC501.30 SV1604.7 | length 22.6
  Top Copper w0.152: SV1604.7@8.27,38.27 9.869,38.27 10.16,38.561 10.16,39.196 12.065,41.101 24.447,41.101 26.542,39.006 IC501.30@26.542,37.104
BOOT_0_MCU_0: IC402.166 R401.2 T401.3 X402.2 | length 41.7
  Top Copper w0.152: X402.2@68.739,51.261 68.739,51.103 T401.3@72.034,51.103 T401.3@72.084,51.103 ; v1(71.279,35.545) 71.79,35.034 R401.2@83.502,35.034 IC402.166@91.272,35.034
  Bot Copper w0.152: X402.2@68.739,51.261 70.802,51.261 71.279,50.785 v1(71.279,35.545)
BOOT_0_MCU_1: IC501.94 R502.2 T501.3 X501.2 | length 43.2
  Top Copper w0.152: R502.2@25.559,19.735 25.559,20.187 25.542,20.203 IC501.94@25.542,21.804 25.542,22.988 v1(25.717,23.163) ; T501.3@33.457,18.4 33.457,17.25 v1(33.337,17.13) 33.972,16.495 55.245,16.495 56.197,17.448 X501.2@56.197,20.305
  Bot Copper w0.152: v1(25.717,23.163) 28.416,23.163 30.48,21.099 30.48,17.924 31.274,17.13 v1(33.337,17.13)
CAN_0_H: D801.2 L801.1 R802.2 X801.4 | length 13.9
  Top Copper w0.305: D801.2@125.358,110.627 126.134,110.627 126.668,111.161 129.07,111.161 X801.4@130.086,110.145 130.086,109.001 129.801,108.716 L801.1@129.801,107.689 129.801,106.662 128.841,105.703 125.848,105.703 125.477,105.332 R802.2@125.477,105.232
CAN_0_H_INT: IC802.13 L801.2 | length 26.4
  Top Copper w0.203: IC802.13@118.427,91.095 IC802.13@118.427,90.995 118.427,89.838 v1(118.904,89.361)
  Top Copper w0.305: v1(129.381,102.061) 129.381,102.193 129.801,102.612 L801.2@129.801,103.639
  Bot Copper w0.203: v1(118.904,89.361) 119.062,89.361 120.968,91.266 120.968,101.426 121.92,102.379 127.159,102.379 127.635,102.855 129.222,102.855 129.381,102.696 v1(129.381,102.061)
CAN_0_L: D801.1 L801.4 R801.1 X801.3 | length 7.4
  Top Copper w0.305: D801.1@125.358,108.727 125.81,108.727 126.211,109.128 127.089,109.128 ; R801.1@125.49,106.655 125.49,107.442 125.737,107.689 L801.4@127.501,107.689 127.501,108.716 127.089,109.128 ; X801.3@127.089,110.145 127.089,109.128
CAN_0_L_INT: IC802.12 L801.3 | length 23.2
  Top Copper w0.203: IC802.12@119.697,91.095 IC802.12@119.697,90.995 119.697,89.838 v1(120.174,89.361)
  Top Copper w0.305: L801.3@127.501,103.639 127.501,102.612 128.052,102.061 v1(128.111,102.061)
  Bot Copper w0.203: v1(120.174,89.361) 121.444,90.79 121.444,101.268 122.079,101.903 127.953,101.903 v1(128.111,102.061)
CAN_0_MCU_1_RX: IC501.91 SV501.4 | length 30.6
  Top Copper w0.152: IC501.91@24.043,21.604 24.043,18.17 v1(24.13,18.083)
  Bot Copper w0.152: SV501.4@5.715,6.19 6.971,7.446 9.525,7.446 11.43,9.351 11.43,15.701 11.747,16.019 22.066,16.019 v1(24.13,18.083)
CAN_0_MCU_1_TX: IC501.52 SV501.3 | length 49.1
  Top Copper w0.152: IC501.52@14.792,34.854 16.295,34.854 ; 16.295,34.854 16.835,34.854 v1(16.891,34.798) 16.351,34.798 16.295,34.854
  Bot Copper w0.152: SV501.3@8.255,6.19 8.255,6.176 6.985,4.906 3.81,4.906 3.492,5.224 3.492,17.765 5.08,19.511 12.065,19.511 12.383,19.829 12.383,22.369 13.018,23.004 15.279,23.004 17.191,24.916 17.191,34.752 17.145,34.798 v1(16.891,34.798)
CAN_0_RX: IC402.163 IC802.5 | length 71.5
  Top Copper w0.152: IC402.163@91.072,36.534 101.795,36.534 v1(102.711,37.45) ; v1(102.711,48.88) 103.188,49.356 v1(110.331,49.356) ; IC802.5@119.697,81.595 119.697,80.154 120.015,79.836 v1(120.015,76.979)
  Bot Copper w0.152: v1(102.711,37.45) v1(102.711,48.88) ; v1(110.331,49.356) 110.331,51.896 111.125,52.69 113.506,52.69 113.824,53.008 113.824,59.675 114.3,60.151 117.157,60.151 118.11,61.104 118.11,63.803 118.427,64.12 119.697,64.12 120.015,64.438 v1(120.015,76.979)
CAN_0_SPLIT: C804.1 R801.2 R802.1 | length 2.9
  Top Copper w0.305: C804.1@124.078,103.734 124.078,104.68 124.077,104.681 R802.1@124.077,105.232 124.077,106.09 124.09,106.103 R801.2@124.09,106.655
CAN_0_TRANS_STANDBY_CONTROL: IC402.141 R806.2 | length 44.6
  Top Copper w0.152: IC402.141@91.072,47.534 110.573,47.534 110.966,47.928 v1(110.966,48.721) ; v1(118.904,63.168) 120.632,63.168 121.191,63.727 R806.2@121.191,64.279
  Bot Copper w0.152: v1(110.966,48.721) 110.966,51.896 111.442,52.373 113.824,52.373 114.141,52.69 114.141,59.358 114.617,59.834 117.316,59.834 118.427,60.945 118.427,62.691 v1(118.904,63.168)
CAN_0_TX: IC402.93 IC802.3 | length 35.4
  Top Copper w0.152: IC402.93@112.573,53.534 v1(112.573,56.995) ; IC802.3@117.157,81.595 117.157,80.471 117.475,80.154 119.062,80.154 119.38,79.836 v1(119.38,77.773)
  Bot Copper w0.152: v1(112.573,56.995) 112.554,59.834 113.189,60.469 116.999,60.469 117.634,61.104 117.634,63.961 118.269,64.596 119.062,64.596 119.38,64.914 v1(119.38,77.773)
CAN_1_RX: IC402.167 JP2201.5 | length 38.7
  Top Copper w0.152: IC402.167@91.072,34.534 93.921,34.534 94.297,34.91 95.091,34.91 v1(95.25,34.751)
  Bot Copper w0.152: v1(95.25,34.751) 95.25,30.783 93.662,29.195 93.662,8.24 94.774,7.129 98.108,7.129 98.901,6.335 98.901,5.281 JP2201.5@98.89,5.27
CAN_1_TRANS_STANDBY_CONTROL: IC402.165 JP2201.6 | length 44.1
  Top Copper w0.152: IC402.165@91.072,35.534 95.737,35.534 v1(96.044,35.228)
  Bot Copper w0.152: v1(96.044,35.228) 96.044,31.1 93.98,29.036 93.98,8.558 94.932,7.605 99.219,7.605 100.171,6.653 100.171,4.011 JP2201.6@98.89,2.73
CAN_1_TX: IC402.168 JP2201.8 | length 36.9
  Top Copper w0.152: IC402.168@91.072,34.034 94.215,34.034 v1(94.456,34.275)
  Bot Copper w0.152: v1(94.456,34.275) 94.615,34.116 94.615,30.624 93.345,29.354 93.345,7.764 95.091,6.018 95.091,3.989 JP2201.8@96.35,2.73
CAN_TRANS_0_EXT_SUPPLY: C803.2 C805.2 C806.2 IC801.3 IC802.11 IC802.16 R803.1 | length 21.7
  Top Copper w0.305: IC802.16@114.617,90.995 114.617,91.947 114.686,92.015 C806.2@114.686,93.013 114.686,93.985 115.37,94.669 C803.2@120.65,94.669 ; IC802.11@120.968,90.995 120.968,92.208 120.74,92.436 C805.2@120.74,93.013 ; IC801.3@123.2,94.543 121.648,94.543 121.522,94.669 C803.2@120.65,94.669 ; R803.1@125.571,91.173 125.571,91.853 124.411,93.013 C805.2@120.74,93.013 ; C803.2@120.65,94.669 120.65,93.679 120.74,93.589 C805.2@120.74,93.013
CAN_TRANS_0_STANDBY: IC802.14 IC803.4 R803.2 | length 12.7
  Top Copper w0.305: IC802.14@117.157,90.995 117.157,89.218 118.525,87.85 IC803.4@125.571,87.85 R803.2@125.571,89.773
CONTACTOR_0_COIL_POS: D1001.1 F1001.2 X1201.3 | length 18.1
  Top Copper w1.016: F1001.2@52.832,92.769 52.832,103.681 54.121,104.97 D1001.1@54.121,107.618 54.121,109.77 X1201.3@53.746,110.145
CONTACTOR_0_CONTROL: IC402.133 R1001.2 | length 36.1
  Top Copper w0.152: R1001.2@62.454,56.183 62.454,54.689 63.024,54.119 72.231,54.119 72.549,53.801 89.059,53.801 89.694,54.436 92.234,54.436 92.551,54.119 92.551,51.811 92.274,51.534 IC402.133@91.272,51.534